# Altium PCB Tigershark 3D R2.1.PcbDoc (part 2 of 4)
Units mil, origin at the board's own origin, x right, y up, seen from the top; angles counter-clockwise.
Board outline 4100 x 4050 mil, 4 copper layers (Top Layer, Groun Plane, Power Plane, Bottom Layer), stack 61.73 mil thick; 364 components, 235 nets, 1170 pads, 856 vias.
Unrouted connection lines stored in the file: 6.
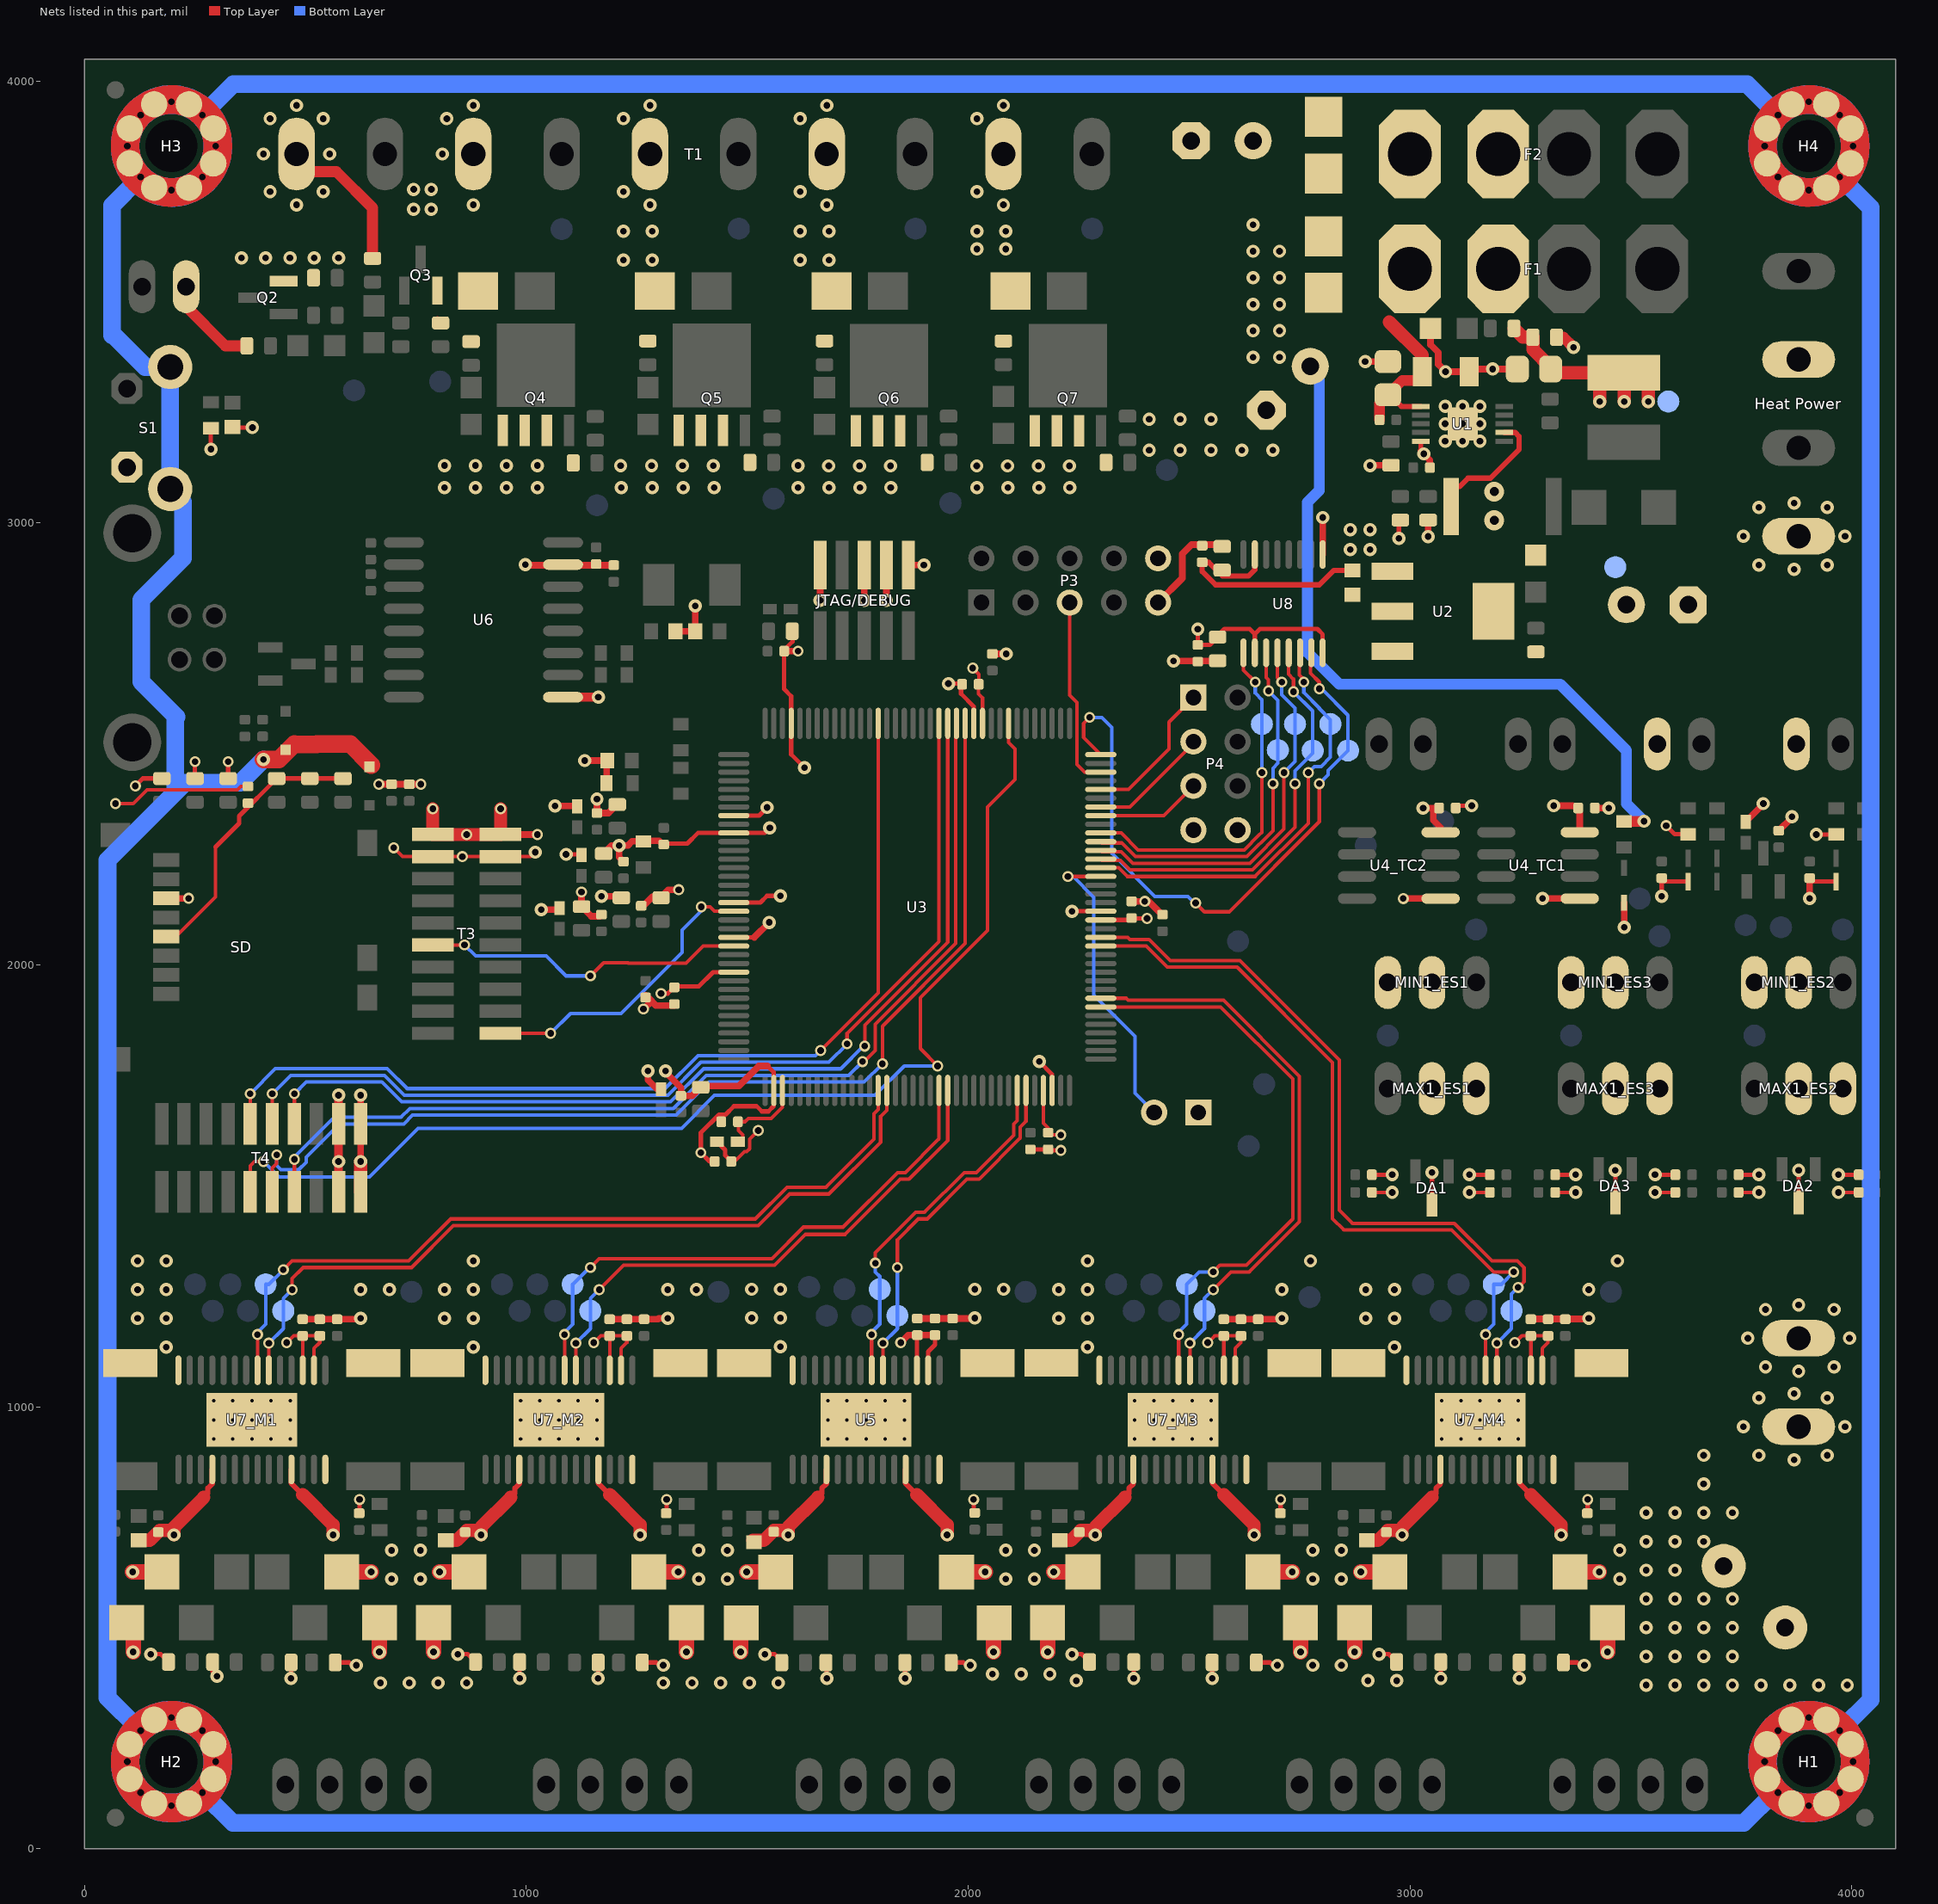
[diagram p4: the nets of this part, all layers, seen from the top]

## Footprints (in the part's own frame and the unit in brackets; to place one, negate y for a bottom-side part, rotate by r counter-clockwise, add the part's x,y. Pads: shape width x height; smd on the part's side, far side on the other; paste and mask are expansions set on the pad) (continued)
LQFP144_N [mm] "Thin QFP, 144-Leads, Body 20x20mm, Pitch 0.5mm, IPC Medium Density"
  oval 1.8x0.3 smd: 1(-10.55,8.75) 2(-10.55,8.25) 3(-10.55,7.75) 4(-10.55,7.25) 5(-10.55,6.75) 6(-10.55,6.25) 7(-10.55,5.75) 8(-10.55,5.25) 9(-10.55,4.75) 10(-10.55,4.25) 11(-10.55,3.75) 12(-10.55,3.25) 13(-10.55,2.75) 14(-10.55,2.25) 15(-10.55,1.75) 16(-10.55,1.25) 17(-10.55,0.75) 18(-10.55,0.25) 19(-10.55,-0.25) 20(-10.55,-0.75) 21(-10.55,-1.25) 22(-10.55,-1.75) 23(-10.55,-2.25) 24(-10.55,-2.75) 25(-10.55,-3.25) 26(-10.55,-3.75) 27(-10.55,-4.25) 28(-10.55,-4.75) 29(-10.55,-5.25) 30(-10.55,-5.75) 31(-10.55,-6.25) 32(-10.55,-6.75) 33(-10.55,-7.25) 34(-10.55,-7.75) 35(-10.55,-8.25) 36(-10.55,-8.75) 73(10.55,-8.75) 74(10.55,-8.25) 75(10.55,-7.75) 76(10.55,-7.25) 77(10.55,-6.75) 78(10.55,-6.25) 79(10.55,-5.75) 80(10.55,-5.25) 81(10.55,-4.75) 82(10.55,-4.25) 83(10.55,-3.75) 84(10.55,-3.25) 85(10.55,-2.75) 86(10.55,-2.25) 87(10.55,-1.75) 88(10.55,-1.25) 89(10.55,-0.75) 90(10.55,-0.25) 91(10.55,0.25) 92(10.55,0.75) 93(10.55,1.25) 94(10.55,1.75) 95(10.55,2.25) 96(10.55,2.75) 97(10.55,3.25) 98(10.55,3.75) 99(10.55,4.25) 100(10.55,4.75) 101(10.55,5.25) 102(10.55,5.75) 103(10.55,6.25) 104(10.55,6.75) 105(10.55,7.25) 106(10.55,7.75) 107(10.55,8.25) 108(10.55,8.75)
  oval 0.3x1.8 smd: 37(-8.75,-10.55) 38(-8.25,-10.55) 39(-7.75,-10.55) 40(-7.25,-10.55) 41(-6.75,-10.55) 42(-6.25,-10.55) 43(-5.75,-10.55) 44(-5.25,-10.55) 45(-4.75,-10.55) 46(-4.25,-10.55) 47(-3.75,-10.55) 48(-3.25,-10.55) 49(-2.75,-10.55) 50(-2.25,-10.55) 51(-1.75,-10.55) 52(-1.25,-10.55) 53(-0.75,-10.55) 54(-0.25,-10.55) 55(0.25,-10.55) 56(0.75,-10.55) 57(1.25,-10.55) 58(1.75,-10.55) 59(2.25,-10.55) 60(2.75,-10.55) 61(3.25,-10.55) 62(3.75,-10.55) 63(4.25,-10.55) 64(4.75,-10.55) 65(5.25,-10.55) 66(5.75,-10.55) 67(6.25,-10.55) 68(6.75,-10.55) 69(7.25,-10.55) 70(7.75,-10.55) 71(8.25,-10.55) 72(8.75,-10.55) 109(8.75,10.55) 110(8.25,10.55) 111(7.75,10.55) 112(7.25,10.55) 113(6.75,10.55) 114(6.25,10.55) 115(5.75,10.55) 116(5.25,10.55) 117(4.75,10.55) 118(4.25,10.55) 119(3.75,10.55) 120(3.25,10.55) 121(2.75,10.55) 122(2.25,10.55) 123(1.75,10.55) 124(1.25,10.55) 125(0.75,10.55) 126(0.25,10.55) 127(-0.25,10.55) 128(-0.75,10.55) 129(-1.25,10.55) 130(-1.75,10.55) 131(-2.25,10.55) 132(-2.75,10.55) 133(-3.25,10.55) 134(-3.75,10.55) 135(-4.25,10.55) 136(-4.75,10.55) 137(-5.25,10.55) 138(-5.75,10.55) 139(-6.25,10.55) 140(-6.75,10.55) 141(-7.25,10.55) 142(-7.75,10.55) 143(-8.25,10.55) 144(-8.75,10.55)
  silkscreen extent -10.67,-9.25 9.25,9.58, body extent -10,-10 10,10, height 1.6
MAXM-S8+4_N [mm] "SOIC, 8-Leads, Body 4.9x3.9mm, Pitch 1.27mm, IPC Medium Density"
  oval 2.2x0.6 smd: 1(-2.4,1.905) 2(-2.4,0.635) 3(-2.4,-0.635) 4(-2.4,-1.905) 5(2.4,-1.905) 6(2.4,-0.635) 7(2.4,0.635) 8(2.4,1.905)
  silkscreen extent -2.53,-2.5 0.9,2.88, body extent -2,-2.5 2,2.5, height 1.75
"MSTBV2 - duplicate" [mil]
  oval 82.5x165 hole 55: 1(-300,0) 2(-100,0)
  silkscreen extent -425,-150 25,180, body extent -425,-150 25,180, height 472
MSTBV4 [mil]
  oval 82.5x165 hole 55: 1(-300,0) 2(-100,0) 3(100,0) 4(300,0)
  silkscreen extent -425,-150 425,180, body extent -428,-153 428,183, height 472
MSTBV10 [mil]
  oval 82.5x165 hole 55: 1(-900,0) 2(-700,0) 3(-500,0) 4(-300,0) 5(-100,0) 6(100,0) 7(300,0) 8(500,0) 9(700,0) 10(900,0)
  silkscreen extent -1025,-150 1025,180, body extent -1028,-153 1025,183, height 472
OSHW_8X150_NOTEXT [mil]
  silkscreen extent 0,0 167,150, body extent 0,2 168,148
PN61729 [mil]
  round 54 hole 38: 1(50,186) 2(-49.21,186) 3(-49.21,107) 4(50,107)
  round 130.5 hole 87: 5(-236.22,0) 6(237,0)
  body extent -237,-405 238,226, height 406
PSMN7R0-60YS [mm] "TO, 5-Pads, Body 5.15x5.86mm (max), IPC Medium Density"
  rect 1.8x0.6 smd: 1(-2.6,1.905) 2(-2.6,0.635) 3(-2.6,-0.635) 4(-2.6,-1.905)
  rect 4.8x4.5 smd: 5(1.14,0)
  silkscreen extent -2.72,2.63 -2.48,2.88, body extent -1.85,-2.5 2.25,2.5, height 1.2
R0402 [mil]
  rrect40% 22x24 smd: 1(-18.9,0) 2(19,0)
  body extent -20,-10 20,10, height 14
R0603 [mm]
  rrect40% 0.74x1 smd: 1(-0.68,0) 2(0.68,0)
  body extent -0.8,-0.4 0.8,0.4, height 0.8
Resistor2512 [mm]
  rect 1.6x3.1 smd: 1(-3.25,0) 2(3.25,0)
  silkscreen extent -2.26,-1.3 2.26,1.3, body extent -3.24,-1.4 3.24,1.4, height 0.9
SK310A-TP [mm] "Molded Diode, 2-Leads, Body 4.31x2.69mm, IPC Medium Density"
  rect 2.3x2.15 smd: 1(-1.625,0) 2(1.625,0)
  silkscreen extent -2.3,-1.45 3.07,1.75, body extent -2.29,-1.42 2.28,1.42, height 2.95
SMA-SM [mil]
  rect 79x79 smd: A(79,0) C(-78.74,0)
  silkscreen extent -89,-49 89,50, body extent -105,-54 105,55, height 116
SOD323-R [mil]
  rect 24x24 smd: A(44,0) C(-43.31,0)
  body extent -50,-31 50,31, height 28
SOT95P230X110-3N [mm] "SOT23, 3-Leads, Body 2.90x2.30mm, Pitch 0.95mm, IPC Medium Density"
  rect 1.4x0.6 smd: 1(-0.95,0.95) 2(-0.95,-0.95) 3(0.95,0)
  silkscreen extent -1.07,-1.5 0.7,1.93, body extent -0.7,-1.5 0.7,1.5, height 1.1
SOT230P700X190-4N [mm] "SOT223, 4-Leads, Body 6.50x7.00mm (avg), Pitch 2.30mm, IPC Medium Density"
  rect 2.4x1 smd: 1(-2.9,2.3) 2(-2.9,0) 3(-2.9,-2.3)
  rect 2.4x3.25 smd: 4(2.9,0)
  silkscreen extent -3.02,-3.35 1.4,3.47, body extent -1.85,-3.35 1.85,3.35, height 1.9
SZMM3Z4V7T1G [mm] "Molded Diode, 2-Leads, Body 1.70x1.25mm, IPC Medium Density"
  rect 0.9x0.35 smd: 1(-1,0) 2(1,0)
  silkscreen extent -0.95,-0.7 1.4,0.7, body extent -0.9,-0.67 0.9,0.67, height 1
TP-2#1 [mil]
  round 50 smd far side: 1(0,0)
TP-2#2 [mil]
  round 50 smd: 1(0,0)
TSOP65P640X120-16N [mm] "TSOP, 16-Leads, Body 5.00x4.40mm, Pitch 0.65mm, IPC Medium Density"
  oval 1.65x0.35 smd: 1(-2.825,2.275) 2(-2.825,1.625) 3(-2.825,0.975) 4(-2.825,0.325) 5(-2.825,-0.325) 6(-2.825,-0.975) 7(-2.825,-1.625) 8(-2.825,-2.275) 9(2.825,-2.275) 10(2.825,-1.625) 11(2.825,-0.975) 12(2.825,-0.325) 13(2.825,0.325) 14(2.825,0.975) 15(2.825,1.625) 16(2.825,2.275)
  silkscreen extent -2.95,-2.55 1.6,3.12, body extent -2.25,-2.55 2.25,2.55, height 1.2
VSSOP10 [mm] "TSSOP, 10-Leads, Body 3.15x3.00mm, Pitch 0.50mm, Thermal Pad 2.05.2x1.50.2mm, IPC High Density"
  rect 1.02x0.3 smd mask+0.102: 1(-2.4,1) 2(-2.4,0.5) 3(-2.4,0) 4(-2.4,-0.5) 5(-2.4,-1) 6(2.4,-1) 7(2.4,-0.5) 8(2.4,0) 9(2.4,0.5) 10(2.4,1)
  rect 1.73x1.9 smd: 11(0,0)
  silkscreen extent -2.02,-1.7 0.65,1.82, body extent -1.55,-1.7 1.55,1.7, height 1.09
Wave_hole_3x7-singleSided#1 [mil]
  round 0 hole 118.11 unplated paste+0 mask-112: 0(0,1.85)
  round 0 hole 15 paste-20 mask-20: 1(-100,0) 1(-70,-70) 1(-70,70) 1(0,-100) 1(0,100) 1(70,-70) 1(70,70) 1(100,0)
  round 60 smd paste-5 mask+0: 1(-94.49,-39.37) 1(-94.49,39.37) 1(-39.37,-94.49) 1(-39.37,94.49) 1(39.37,-94.49) 1(39.37,94.49) 1(94.49,-39.37) 1(94.49,39.37)
  Top Layer circle w64.96: c0,0 r105
  Bottom Layer lines w64.96: -78.26,-70 ccw(c0,0) 105,0 ccw(c0,0) 74.25,74.25 ccw(c0,0) -78.26,-70
  body extent -105,-105 105,105
Wave_hole_3x7-singleSided#2 [mil]
  round 0 hole 118.11 unplated paste+0 mask-112: 0(0,0)
  round 0 hole 15 paste-20 mask-20: 1(-100,0) 1(-70,-70) 1(-70,70) 1(0,-100) 1(0,100) 1(70,-70) 1(70,70) 1(100,0)
  round 60 smd paste-5 mask+0: 1(-94.49,-39.37) 1(-94.49,39.37) 1(-39.37,-94.49) 1(-39.37,94.49) 1(39.37,-94.49) 1(39.37,94.49) 1(94.49,-39.37) 1(94.49,39.37)
  Top Layer circle w64.96: c0,0 r105
  Bottom Layer lines w64.96: -74.25,74.25 ccw(c0,0) 74.25,-74.25 ccw(c0,0) 105,0 ccw(c0,0) -74.25,74.25
  body extent -105,-105 105,105
XAL50xx-153 [mm] "Precision Wire Wound Inductor, 2-Leads, Body 5.28x5.48mm, IPC High Density"
  rect 2.05x4.2 smd: 1(-2,0) 2(2,0)
  silkscreen extent -2.75,-2.85 2.75,2.85, body extent -2.74,-2.84 2.74,2.84, height 4.25

## Part data
C1_ES1 C1_ES2 C1_ES3 C2_ES1 C2_ES2 C2_ES3 C24 C29 C34 C50 C71_M1 C71_M2 C71_M3 C71_M4: library part GRM155R60J474KE19D, "0.47uF 6.3v C0402 - GRM155R60J474KE19D"
C3_M1 C3_M2 C3_M3 C3_M4 C5_M1 C5_M2 C5_M3 C5_M4 C6_M1 C6_M2 C6_M3 C6_M4 C8_M1 C8_M2 C8_M3 C8_M4 C52 C62 C67 C72: library part CC0603ZRY5V6BB105, "CAP CER 0603 1uF 10V Y5V"
C4 C35 C43 C44 C66_M1 C66_M2 C66_M3 C66_M4 C73: library part "Cap Semi", "Capacitor (Semiconductor SIM Model)"
C7: library part UPW1H471MHD1TO, "CAP ALU 470uF 50V 20%"
C9: library part C1206C475K5PACTU, "CAP CER 1206 4.7uF 50V 10% X5R"
C10: library part GRM21BR71H105KA12L, "CAP CER 0805 1uF 50V 10% X7R"
C11 C40: library part C0603C104K5RACTU, "CAP CER 0603 100nF 50V 10% X7R"
C12_M1 C12_M2 C12_M3 C12_M4 C14_M1 C14_M2 C14_M3 C14_M4 C19 C23 C27 C31_TC1 C31_TC2 C33 C37 C38 C39 C41 C42 C45 C46 C47 C48 C51 C53 C54 C56 C57 C58 C59 C61 C69 C70 C75_M1 C75_M2 C75_M3 C75_M4: library part "100nF C0402 - GRM155R71C104KA88D", "Capacitor (Semiconductor SIM Model)"
C13 C17 C25 C28 C32 C36 C55 C60: library part C1608JB0J106K080AB, "CAP CER 10UF 6.3V 10% JB 0603"
C15 C16 C18: library part UVZ1H101MPD1TD, "CAP ALU 100uF 50V 20% 105C"
C20 C26 C30_TR1 C30_TR2 C64 C65: library part GRM155R71C104KA88D, "CAP CER 0.1UF (100nF) 16V 10% X7R 0402"
C21: library part C0805C106K8PACTU, "CAP CER 0805 10uF 10V 10% X5R"
C22: library part GRM155R60J105KE19D, "CAP CER 0402 1uF 6.3V 10% X5R"
C49 C68_M1 C68_M2 C68_M3 C68_M4: library part GRM155R71H103JA88D, "CAP CER 10000PF 50V X7R 0402"
C63: "Capacitor (Semiconductor SIM Model)"
D1: library part "D Zener", "Zener Diode"
D2: library part SK310A, "DIODE Schottky 3A SMA"
D3_TR1 D3_TR2 D5_TR1 D5_TR2: "High Conductance Fast Diode"
D4 D6 D12 D15 D17 D19: library part "D Schottky", "Schottky Diode"
D7 D9: "LED 0805 Red"
D8 D24: "DIODE TVS"
D10 D11 D13 D14 D16 D18: "LED 0805 Yellow"
D20_M1 D20_M2 D20_M3 D20_M4 D21_M1 D21_M2 D21_M3 D21_M4 D22_M1 D22_M2 D22_M3 D22_M4 D23_M1 D23_M2 D23_M3 D23_M4 D25 D26 D27 D28: "DIODE TVS 30V SMA"
DA1 DA2 DA3 DA4 DA5: "PESDxL2BT TVS Diode Array 2x"
F1 F2: library part "Fuse 1", "Fuse"
"Heat Power": library part con-phoenix-508_4
JTAG/DEBUG: library part "ARM Cortex JTAG-DEBUG Header"
L1: "IND 15uH 3.9A 20%"
M1_M1 M1_M2 M1_M3 M1_M4 M2 M3: library part "Molex 0705430003 Alt", "Molex 4 Pin Clip Connector"
MAX1_ES1 MAX1_ES2 MAX1_ES3 MIN1_ES1 MIN1_ES2 MIN1_ES3: library part "Molex Endstop"
"Motor Power": library part con-phoenix-508_2
P1: library part "Header 2", "Header, 2-Pin"
P3: "Header, 5-Pin, Dual row"
P4: "Header, 4-Pin, Dual row"
Q2 Q3 Q4 Q5 Q6 Q7: "N-Channel MOSFET"
R1 R14_TR1 R14_TR2 R19_TR1 R19_TR2 R21: "Resistor"
R2_ES1 R2_ES2 R2_ES3 R3_ES1 R3_ES2 R3_ES3: library part ERJ-2GEJ272X, "RES SMD 2.7K OHM 5% 1/10W 0402"
R4 R5 R15 R16 R18 R20 R22 R23 R31_M1 R31_M2 R31_M3 R31_M4 R32_M1 R32_M2 R32_M3 R32_M4 R33_M1 R33_M2 R33_M3 R33_M4 R37 R38 R39: library part Res3, "Resistor"
R6 R46 R55 R59 R63 R67 R71: library part RC0603FR-07100KL, "RES 100K OHM 1/10W 1% 0603 SMD"
R7 R10 R12: library part ERJ-3EKF1002V, "RES 0603 10K 100mW 1%"
R8 R11 R25 R26 R27 R28 R29 R34: library part ERJ-3EKF1001V, "RES 0603 1K 100mW 1%"
R9: library part RL2512FK-070R06L, "RES 0.06 OHM 1W 1% 2512 SMD"
R13 R47 R56 R60 R64 R68: library part RC0603JR-071K8L, "RES 0603 1.8K 100mW 5%"
R17: library part CRCW0402200KFKED, "RES 0402 22r 63mW 1%"
R24 R30_M1 R30_M2 R30_M3 R30_M4 R35 R36: library part ERJ2GEJ105X, "RES 0402 1M 100mW 5%"
R45 R52 R58 R62 R66 R70: library part CRCW060310R0FKEA, "RES 0603 10r 100mW 1%"
S1: library part 1571610-2_1, "SWTCH Momentary Washable"
SD: "microSD 502570-0893 Molex Part"
T1: library part "0395311010 - Molex 10 Position Connector", "MSBTV10 10 port connector same as RAMBo"
T3 T4: "HDR 20pos Vert Dual Row SMT"
TP1 TP2 TP3 TP4 TP5 TP6 TP7 TP8 TP9_ES1 TP9_ES2 TP9_ES3 TP10_ES1 TP10_ES2 TP10_ES3 TP11 TP12 TP13 TP14 TP15 TP16 TP17 TP18 TP19 TP20 TP21 TP32_M1 TP32_M2 TP32_M3 TP32_M4 TP33_M1 TP33_M2 TP33_M3 TP33_M4 TP35_M1 TP35_M2 TP35_M3 TP35_M4 TP36_M1 TP36_M2 TP36_M3 TP36_M4 TP37_M1 TP37_M2 TP37_M3 TP37_M4 TP38 TP39_M1 TP39_M2 TP39_M3 TP39_M4 TP40_M1 TP40_M2 TP40_M3 TP40_M4 TP41 TP42 TP43 TP44 TP45 TP46 TP47 TP48 TP49 TP50 TP51 TP52_TR1 TP52_TR2: library part Socket, "Socket"
U1: library part LM25011, "REG BUCK"
U4_TC1 U4_TC2: "Cold Junction Compensated Thermocouple to Digital Converter, 14 Bits Temperature Resolution, -40 to 125 degC, 8-Pin SOIC (S8+4), Pb-Free"
U5 U7_M1 U7_M2 U7_M3 U7_M4: "DRV8825 Ti Stepper Driver"
U6: "USB Opto Isolator"
U8: library part TXB0106, "TXB0106 - Bidriectional Opendrain/pushpull level shift"
X2: library part XTAL, "Crystal Oscillator"

## Via types
v1: diameter 30, hole 15, Top Layer to Bottom Layer, tented both sides, 517 vias
v2: diameter 25, hole 15, Top Layer to Bottom Layer, tented both sides, 203 vias
v3: diameter 19.68, hole 7.87, Top Layer to Bottom Layer, 75 vias
v4: diameter 25, hole 15, Top Layer to Bottom Layer, 50 vias
v5: diameter 30, hole 15, Top Layer to Bottom Layer, 9 vias
v6: diameter 45, hole 20, Top Layer to Bottom Layer, tented both sides, 2 vias

## Nets (pads, with @x,y where several pads share a name; then routed paths per layer and width w, separated by ;. In a path a pad name is that pad's centre, name@x,y a point inside that pad or via, vN(x,y) a via of type N, cw(c..) or ccw(c..) an arc to the next point about the centre after c; other vN are vias at no path point)
3.3VCC: C12_M1.2 C12_M2.2 C12_M3.2 C12_M4.2 C14_M1.2 C14_M2.2 C14_M3.2 C14_M4.2 C18.1 C25.2 C26.2 C29.2 C31_TC1.2 C31_TC2.2 C45.2 C46.2 C47.2 C48.2 C64.2 C69.2 C70.2 FB1.2 FB5.1 FB6.1 FB7.1 FB8.1 FB9.1 JTAG/DEBUG.1 MAX1_ES1.3 MAX1_ES2.3 MAX1_ES3.3 MIN1_ES1.3 MIN1_ES2.3 MIN1_ES3.3 P1.1 P3.10 P4.8 R2_ES1.2 R2_ES2.2 R2_ES3.2 R3_ES1.2 R3_ES2.2 R3_ES3.2 R6.2 R11.2 R19_TR1.2 R19_TR2.2 R21.2 R25.2 R26.2 R27.2 R28.2 R29.2 R34.2 SD.4 T3.17 T3.18 T4.17 T4.18 TP3.1 U2.3 U3.11 U3.62 U3.105 U3.125 U4_TC1.4 U4_TC2.4 U5.16 U5.17 U7_M1.16 U7_M1.17 U7_M2.16 U7_M2.17 U7_M3.16 U7_M3.17 U7_M4.16 U7_M4.17 U8.2 U8.8 | length 4647.9
  Top Layer w8: SD.4@185,2063.94 206.51,2063.94 296.5,2153.93 296.5,2266.5 ; v2(457.48,1145) 473.48,1161 C12_M1.2@492.48,1161 ; U7_M1.17@493.9,1083.46 493.9,1159.58 C12_M1.2@492.48,1161 ; U7_M1.16@517.48,1085.47 519.49,1083.46 519.49,1132.01 532.48,1145 C14_M1.2@532.48,1160 ; C14_M1.2@532.48,1161 C12_M1.2@492.48,1161 ; v2(700,2265) 720,2245 T3.18@788.23,2245 v2(855,2245) T3.17@941.77,2245 1010,2245 v1(1020,2255) ; v2(1152.48,1145) 1168.48,1161 C12_M2.2@1187.48,1161 ; U7_M2.17@1188.9,1083.46 1188.9,1159.58 C12_M2.2@1187.48,1161 ; R6.2@1211.77,2155 R6.2@1215,2151.77 ; U7_M2.16@1212.48,1085.47 1214.49,1083.46 1214.49,1132.01 1227.48,1145 C14_M2.2@1227.48,1160 ; C14_M2.2@1227.48,1161 C12_M2.2@1187.48,1161 ; C64.2@1464,1555 1471.8,1555 1493.99,1577.19 1498.93,1577.19 1505.37,1583.63 1505.37,1605.37 v2(1525,1625) ; JTAG/DEBUG.1@1865,2904.92 JTAG/DEBUG.1@1865.08,2905 ; v2(2010.47,2671.46) 2024.47,2657.46 2024.47,2627.54 2023.56,2626.63 2023.56,2613.37 2032.64,2604.29 U3.11@2032.64,2546.46 ; U3.105@2170.43,1715.75 2170.43,1641.77 2181.1,1631.1 C45.2@2181.1,1620.1 2186.2,1615 v2(2210,1615) ; v4(2542.48,1145) 2558.48,1161 C12_M3.2@2577.48,1161 ; U7_M3.17@2578.9,1083.46 2578.9,1159.58 C12_M3.2@2577.48,1161 ; U7_M3.16@2602.48,1085.47 2604.49,1083.46 2604.49,1132.01 2617.48,1145 C14_M3.2@2617.48,1160 ; C14_M3.2@2617.48,1161 C12_M3.2@2577.48,1161 ; R3_ES1.2@2914,1485 v1(2960,1485) ; v1(3135,1485) R2_ES1.2@3181,1485 ; v4(3237.48,1145) 3253.48,1161 C12_M4.2@3272.48,1161 ; U7_M4.17@3273.9,1083.46 3273.9,1159.58 C12_M4.2@3272.48,1161 ; U7_M4.16@3297.48,1085.47 3299.49,1083.46 3299.49,1132.01 3312.48,1145 C14_M4.2@3312.48,1160 ; C14_M4.2@3312.48,1161 C12_M4.2@3272.48,1161 ; R3_ES3.2@3329,1485 v1(3375,1485) ; v1(3555,1485) R2_ES3.2@3601,1485 ; R3_ES2.2@3744,1485 v1(3790,1485) ; v1(3970,1485) R2_ES2.2@4016,1485
  Top Layer w10: v2(115,2405) 131.77,2421.77 R25.2@175,2421.77 ; R26.2@250,2421.77 v2(250,2460) ; v1(286,3167) R21.2@286,3214.47 ; 296.5,2266.5 350,2320 350,2336.78 R28.2@435,2421.77 R29.2@510,2421.77 R34.2@585,2421.77 ; R27.2@325,2421.77 v2(325,2460) ; v1@1090,2244.72 v1(1090,2250) 1123.62,2250 FB7.1@1125,2248.62 ; v2(1305,1935) 1320,1935 1336.1,1951.1 1390.14,1951.1 1422.51,1983.46 U3.62@1469.65,1983.46 ; FB9.1@1431.38,1600 1450,1581.38 1450,1569 C64.2@1464,1555 ; U5.17@1884.16,1083.2 C69.2@1884.16,1161.16 ; U5.16@1909.75,1083.2 1909.75,1124.75 1925,1140 C70.2@1925,1162 ; U3.125@2300.35,2101.57 C46.2@2365.57,2101.57 ; C46.2@2371,2105 v2(2405,2105) ; v1(2520,2760) C26.2@2520,2724 2547.23,2724 C25.2@2565,2741.77 ; C25.2@2560,2740 2580,2760 2637.44,2760 2649.02,2748.42 ; U8.2@2649.02,2706.22 2649.02,2748.42 ; U8.8@2802.57,2706.22 2802.57,2747.87 2790.44,2760 2660.61,2760 2649.02,2748.42 ; 3367.95,2360 C31_TC1.2@3384.49,2343.46 ; v2(3580,2315) 3599.53,2295.47 R19_TR2.2@3630,2295.47 ; v1(3920,2295) 3964.53,2295 R19_TR1.2@3965,2295.47
  Top Layer w15: v1(1034,2124.72) FB5.1@1075,2124.72 ; v1(1065,2359.72) FB8.1@1115,2359.72 ; v1(1170,2155) R6.2@1211.77,2155 ; v1(1275,1760) 1275,1739.72 FB6.1@1295,1719.72 ; v4(1847.51,1144.97) 1864.54,1162 C69.2@1885,1162 C70.2@1925,1162 ; JTAG/DEBUG.1@1865.08,2905 v1(1900,2905) ; C46.2@2370,2106 C46.2@2371,2105 ; v1@3025,2360 3025,2355 3052.95,2355 ; C31_TC2.2@3056,2355 3052.95,2355 ; U4_TC2.4@3069.49,2300 3069.49,2311.02 3052.95,2327.56 3052.95,2355 ; v1(3325.51,2360) 3367.95,2360 ; U4_TC1.4@3384.49,2300 C31_TC1.2@3384.49,2343.46 ; FB1.2@3760,2323.62 3800,2363.62 v1(3800,2365)
  Top Layer w20: T4.17@575,1486.46 v1(575,1555) T4.18@575,1640 v1(575,1705)
  other v1: 3030,2355
+5VCC: C4.2 C11.1 C17.2 C20.2 C21.1 L1.2 R7.2 R8.2 R10.1 TP1.1 U2.1 U8.15 | length 1132.3
  Top Layer w12: C20.2@2530,2911 2530,2890 2560,2860 2795,2860 2827.56,2892.56 C4.2@2870,2892.56 ; C20.2@2530,2916 2531.51,2915.49 2544.88,2911 2575.88,2880 2635,2880 2649.02,2894.02 U8.15@2649.02,2928.66